# Altium PCB R32-Micro.PcbDoc (part 1 of 3)
Units mm, origin at the board's own origin, x right, y up, seen from the top; angles counter-clockwise.
Board outline 100 x 60 mm, 4 copper layers (Component Side, Ground Plane, Power Plane, Solder Side), stack 0.844 mm thick; 220 components, 197 nets, 1071 pads, 542 vias.
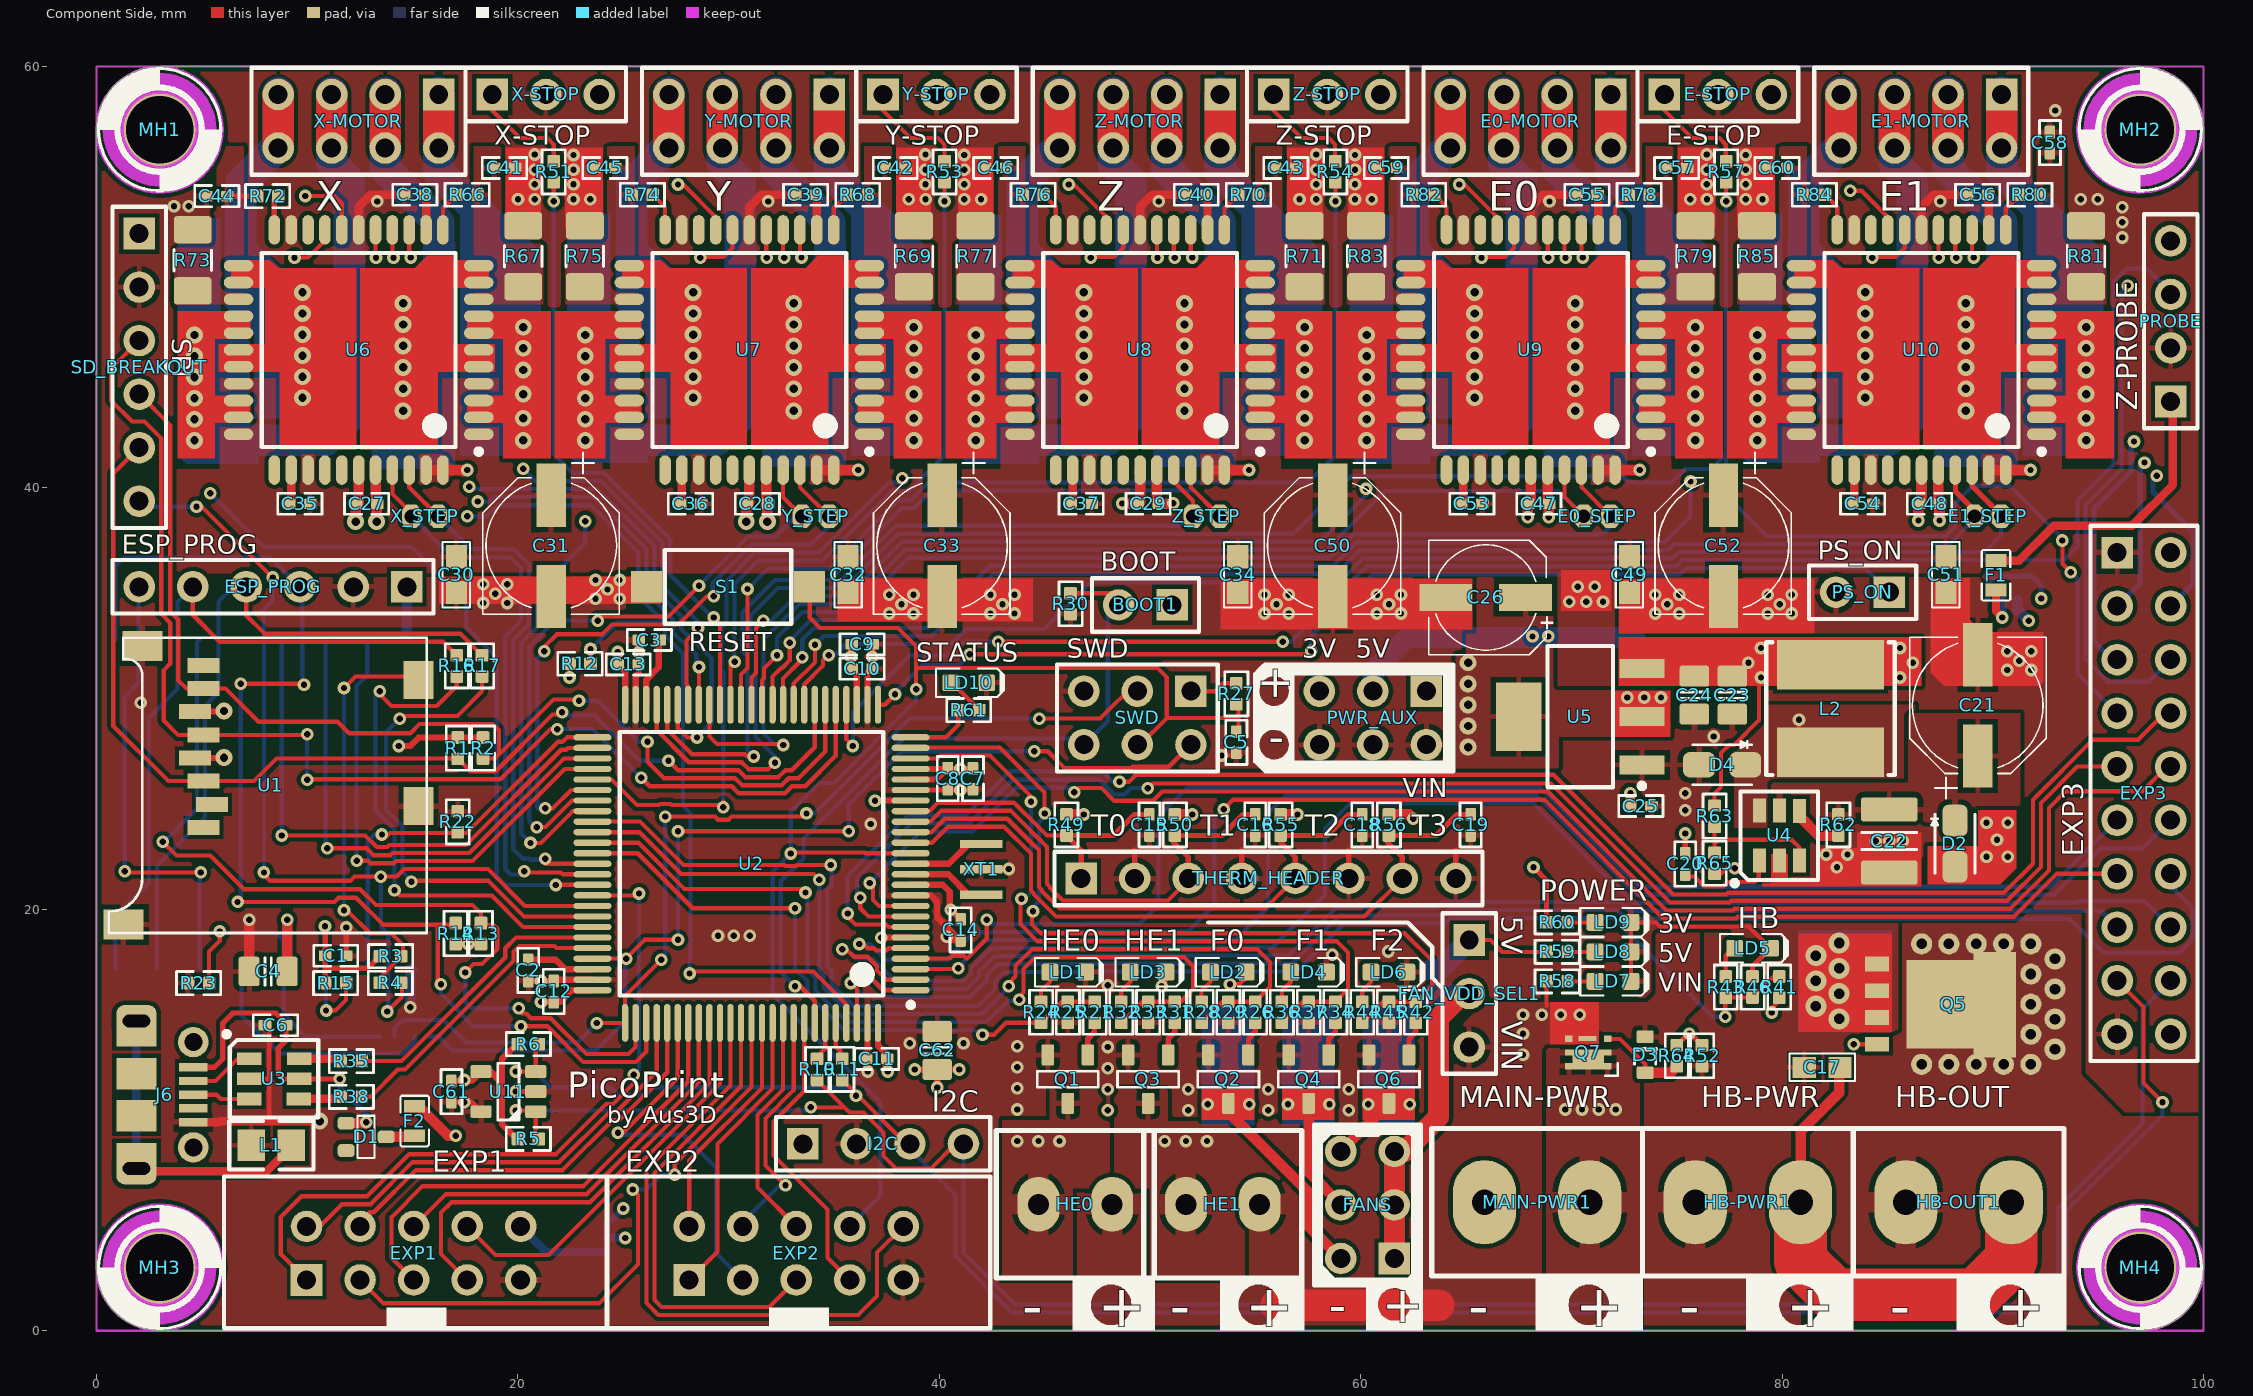
[diagram p0: Component Side view]
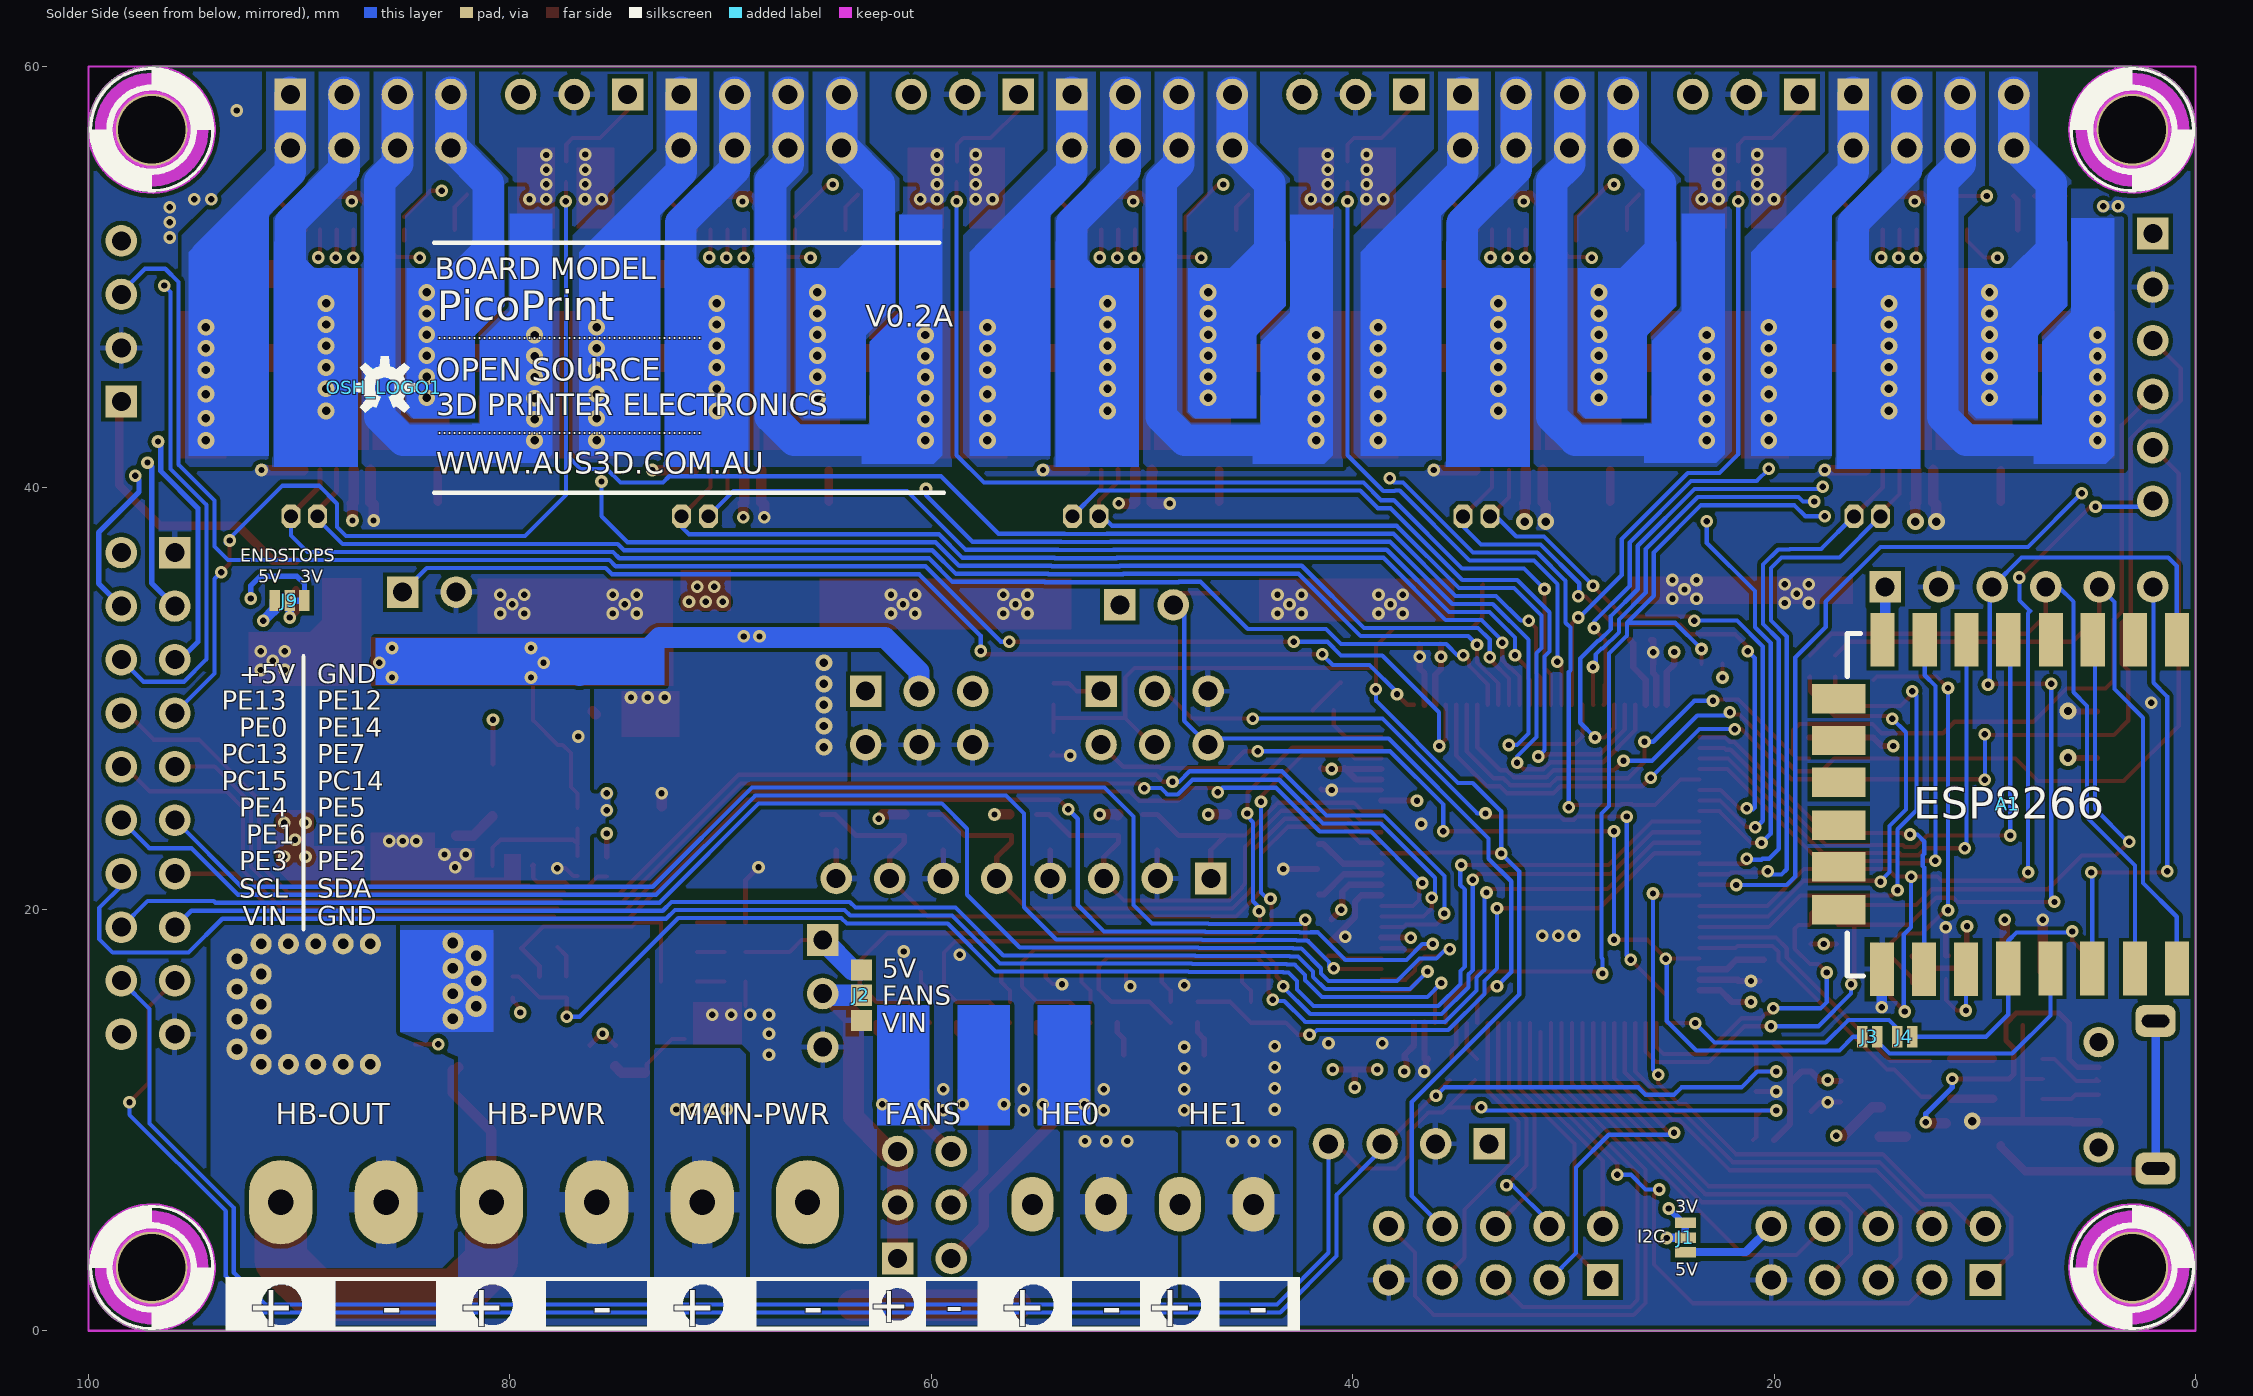
[diagram p1: Solder Side view, seen from below]
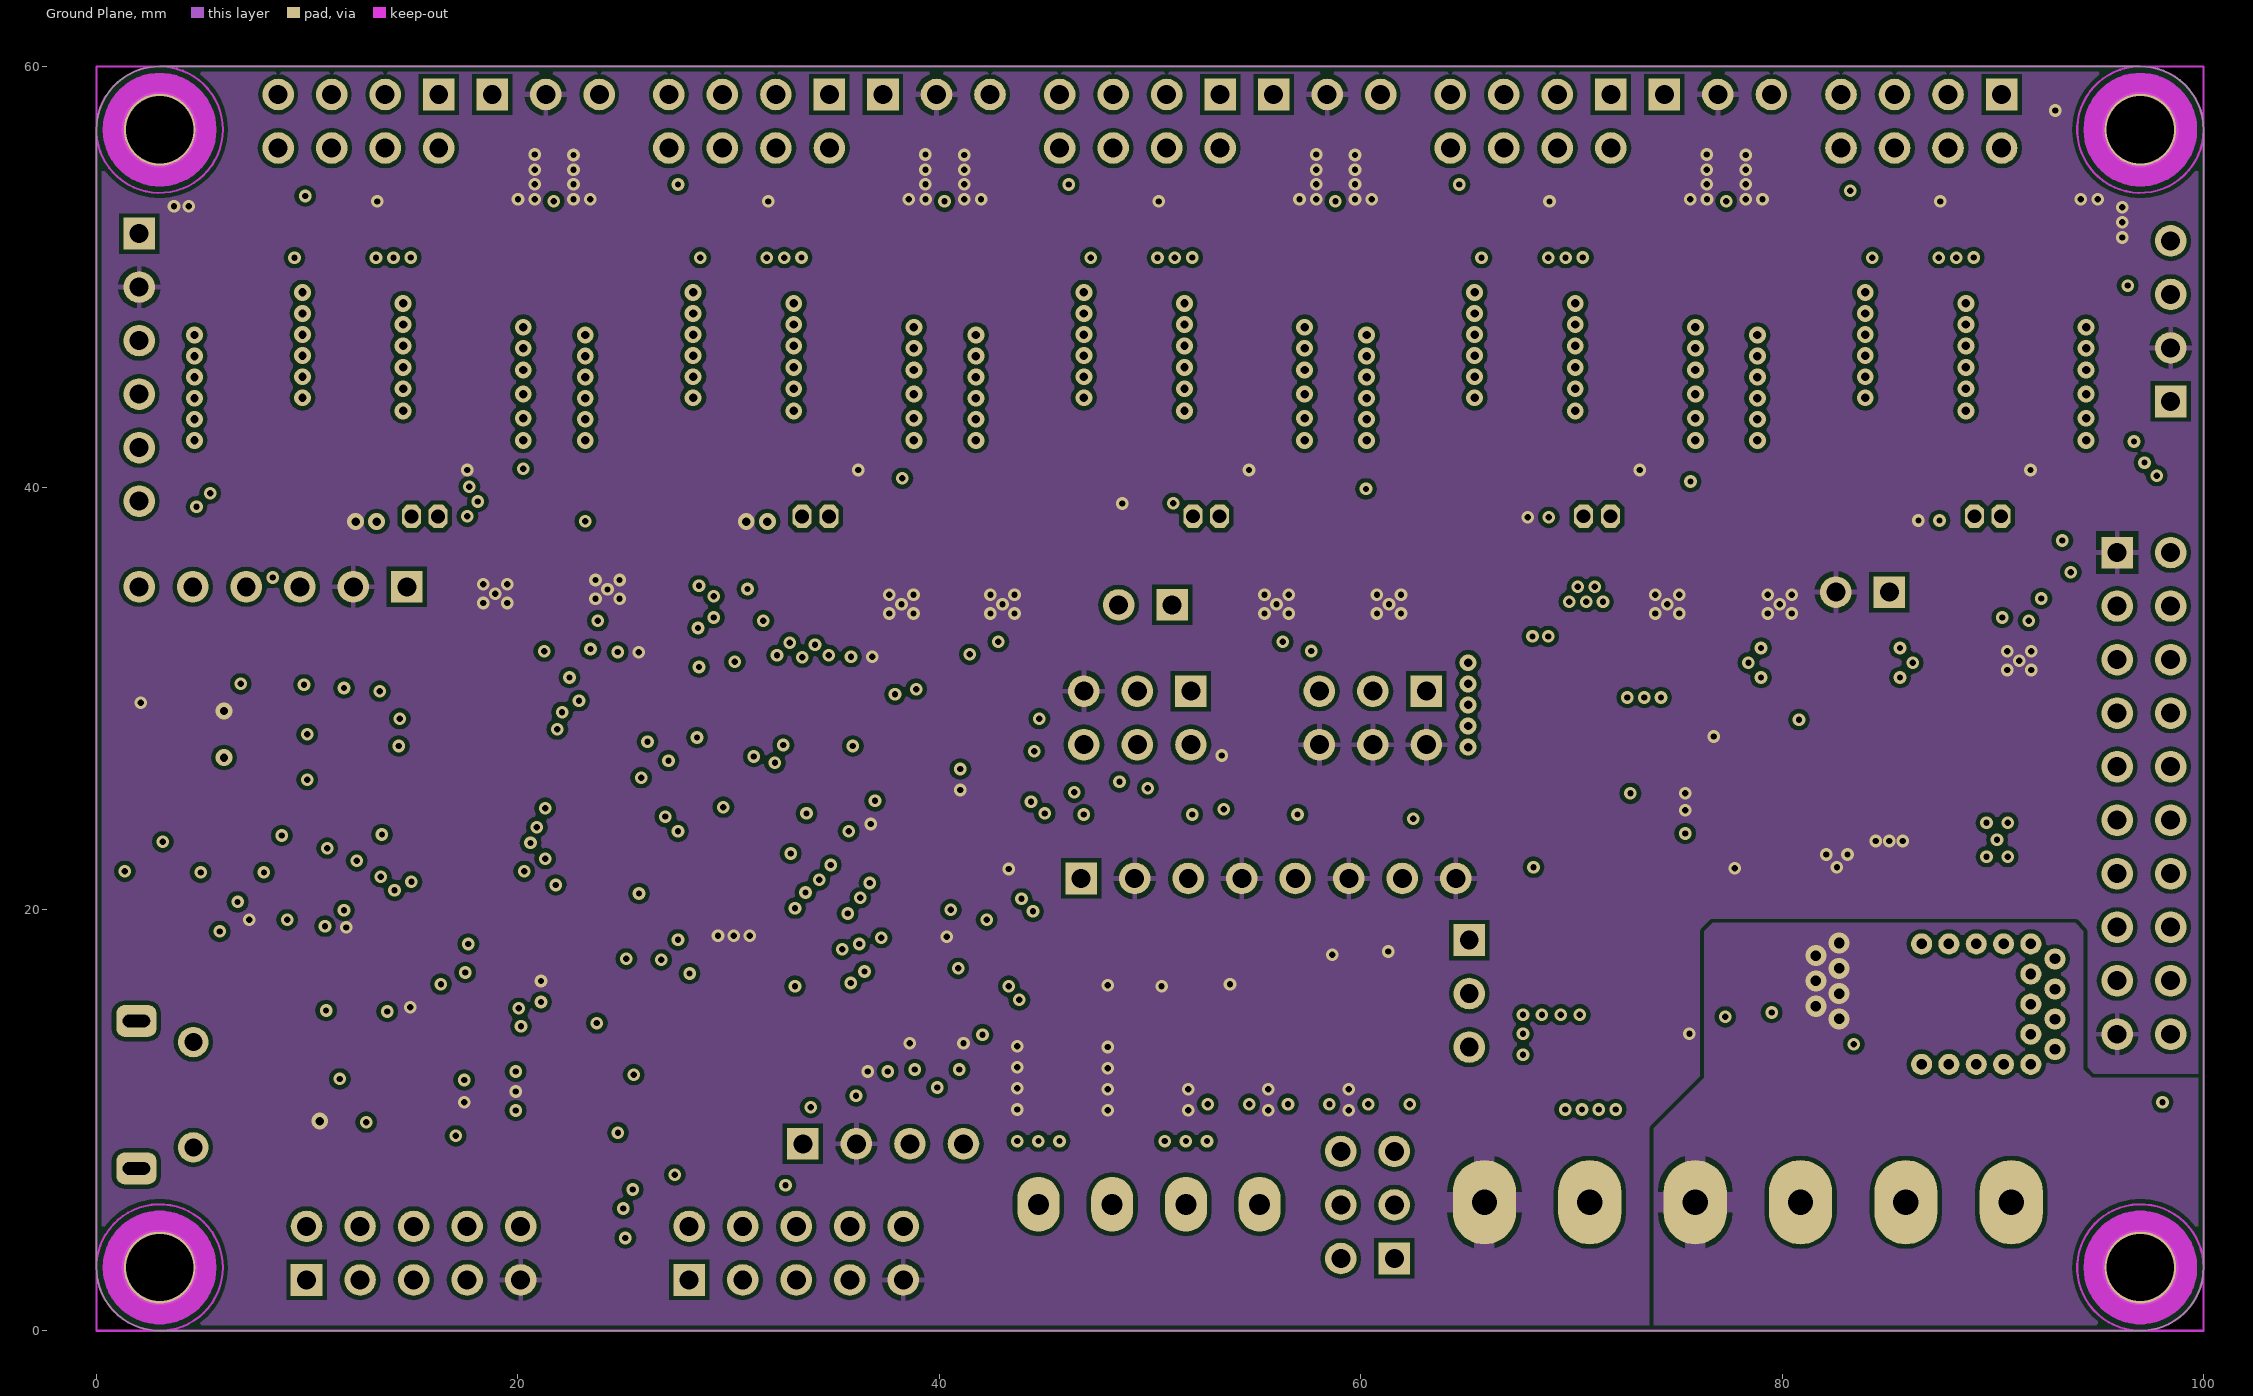
[diagram p2: Ground Plane]
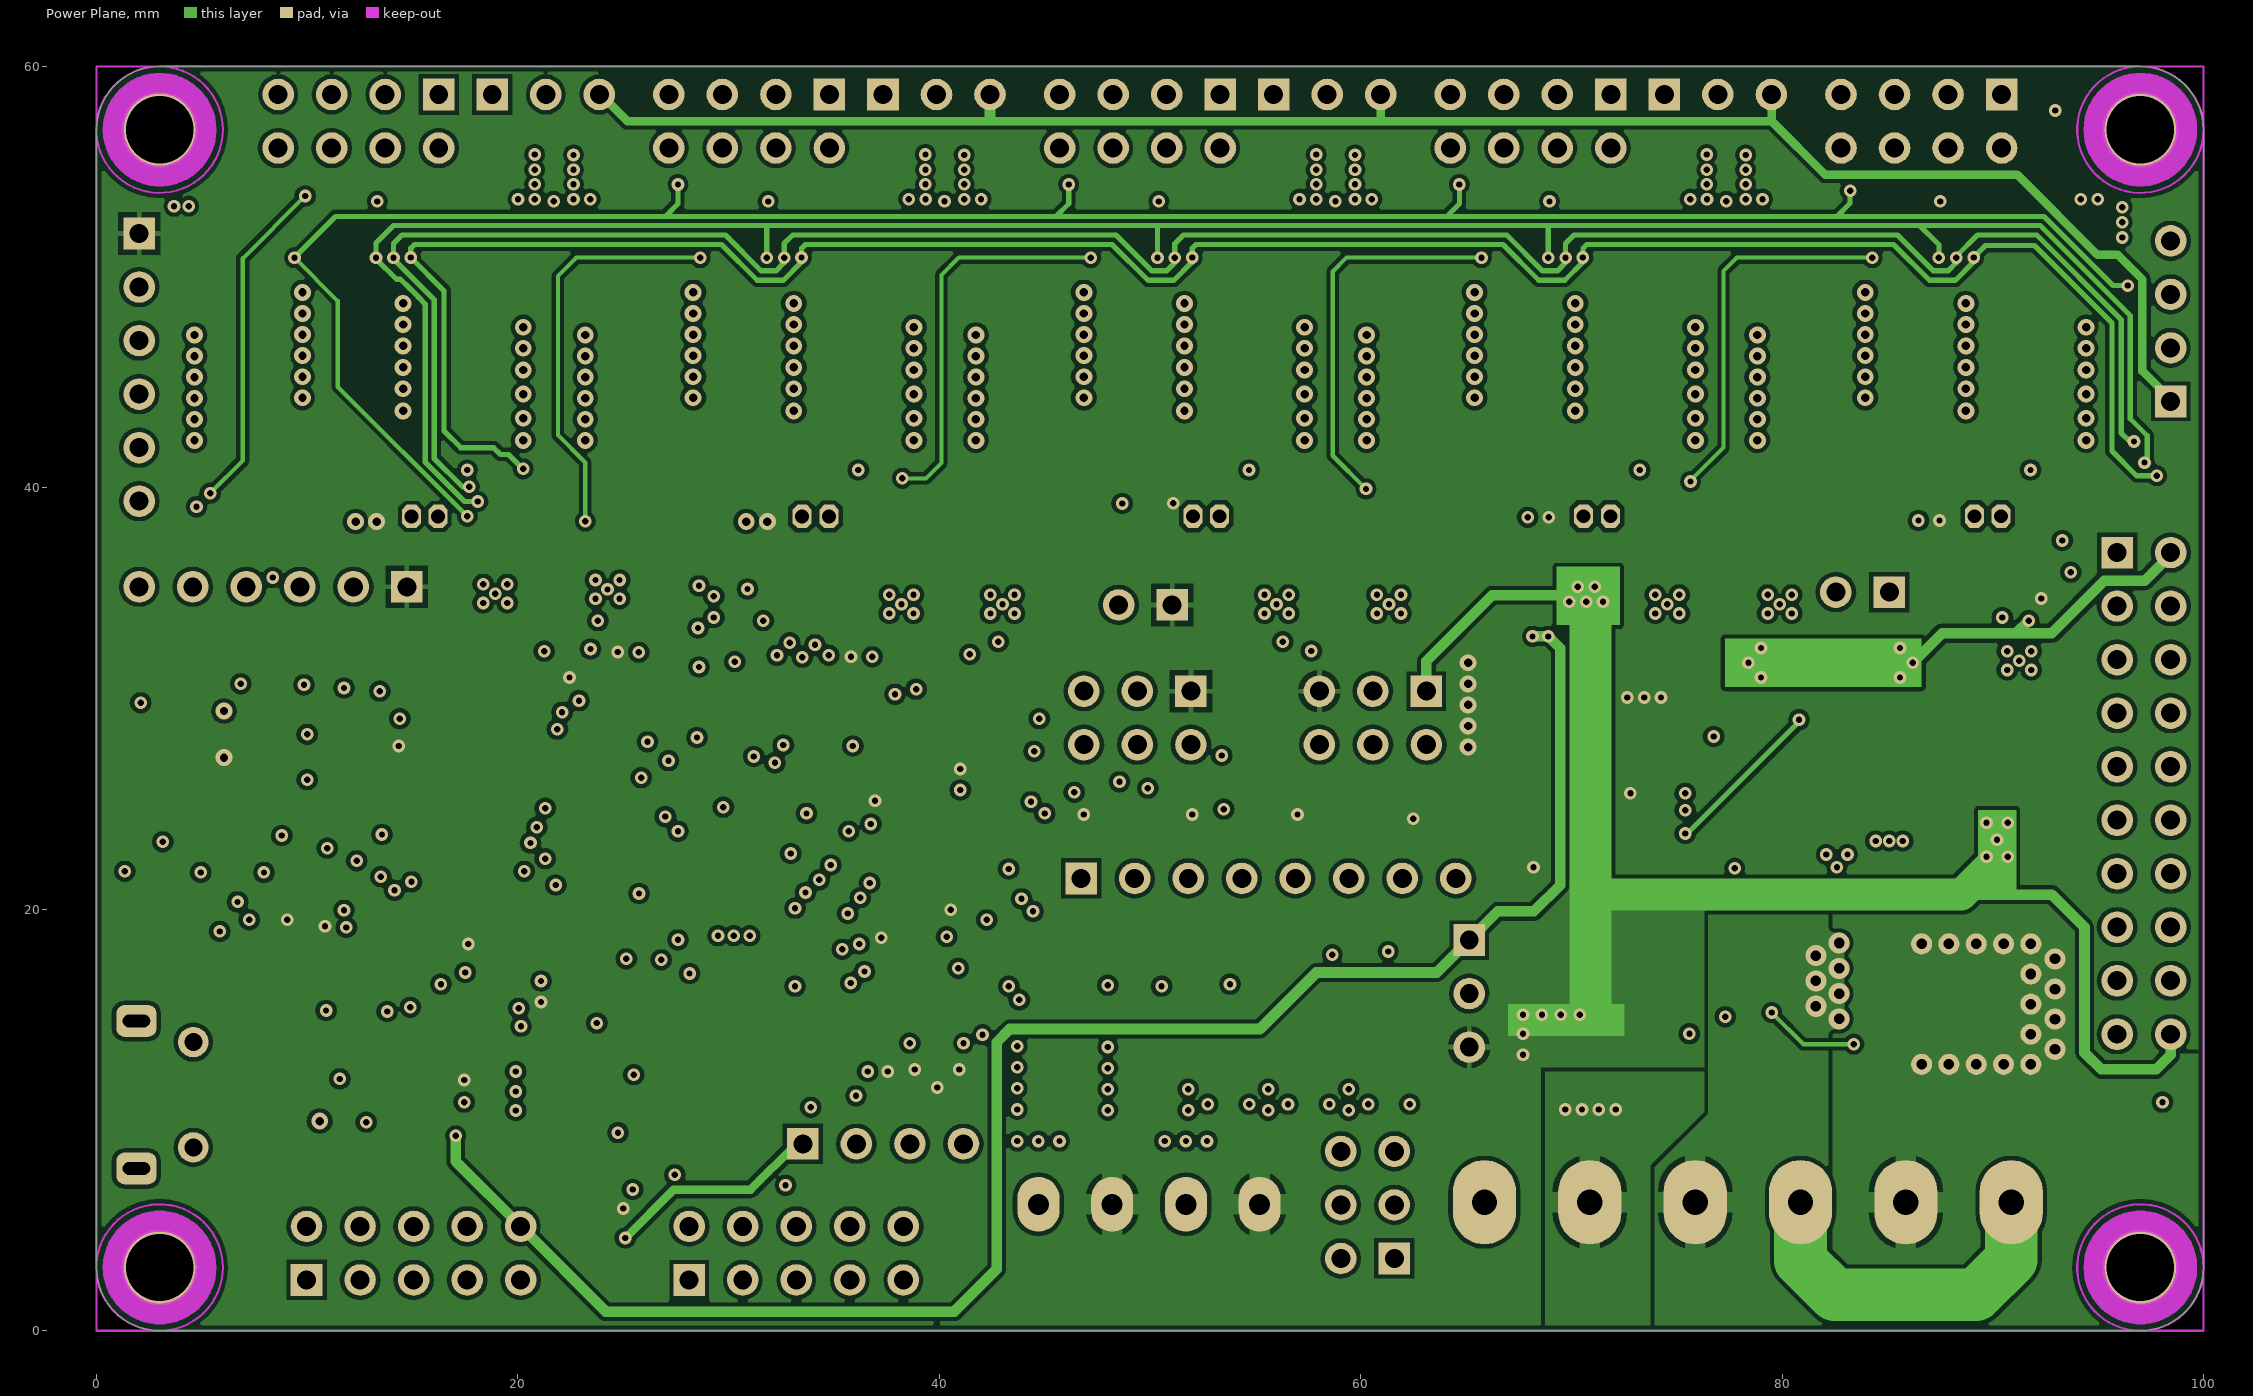
[diagram p3: Power Plane]
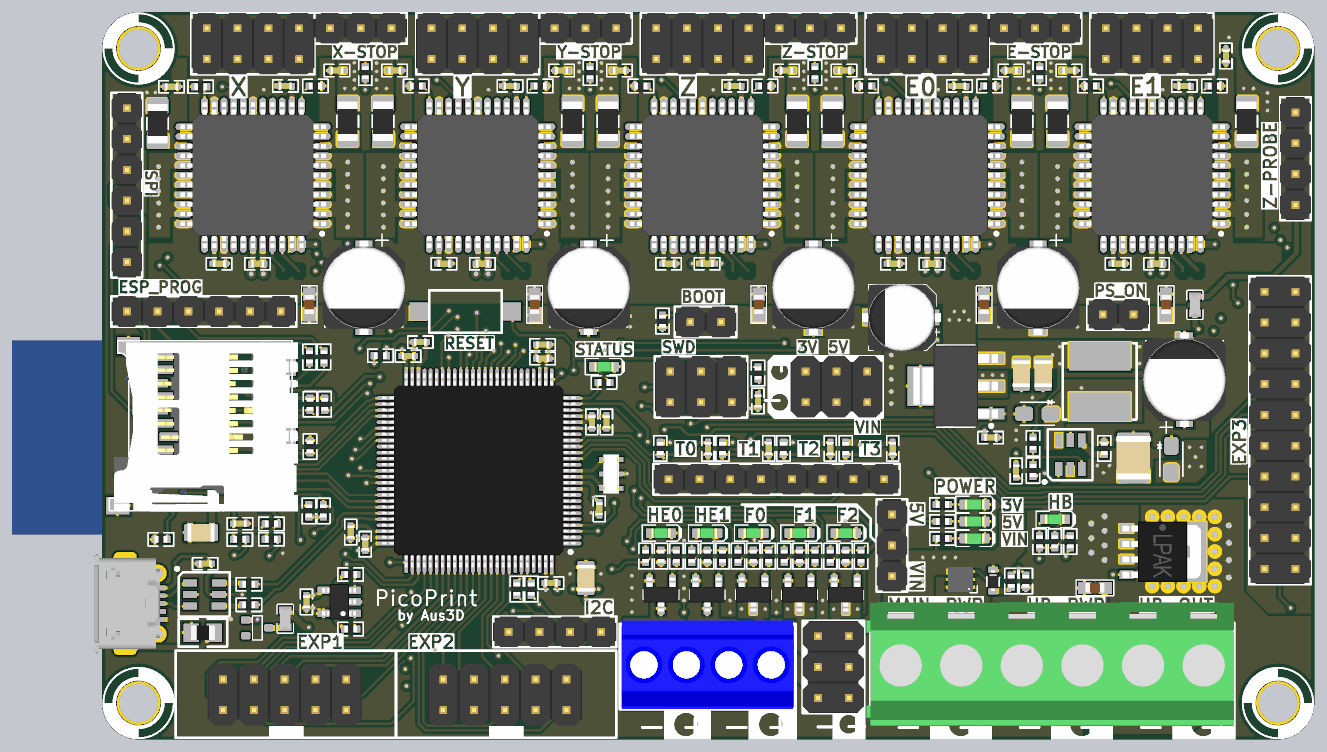
[diagram p6: 3D render of the assembled board from above, using the file's embedded part models]

## Layer stack, top to bottom
Top Solder: solder mask 0.0102, Solder Resist, Dk 3.5
Component Side: signal copper 0.0356
Dielectric 1: core 0.32, FR-4, Dk 4.8
Ground Plane: signal copper 0.036
Dielectric 3: prepreg 0.127, Dk 4.2
Power Plane: signal copper 0.036
Dielectric 4: core 0.254, Dk 4.2
Solder Side: signal copper 0.0356
Bottom Solder: solder mask 0.0102, Solder Resist, Dk 3.5

## Board outline
0,3 0,57 cw(c3,57) 3,60 97,60 cw(c97,57) 100,57 100,3 cw(c97,3) 97,0 3,0 cw(c3,3)

## Design rules (kind name [scope] priority, off if disabled: settings)
Clearance [All] p1: gap=0.2 except(0.18: Track-Track)
DiffPairsRouting [All] p1: maxlimit=0.5 minlimit=0.2 mostfreqgap=0.2 toplayer_minwidth=0.2 toplayer_maxwidth=0.5 toplayer_prefwidth=0.2 midlayer1_minwidth=0.2 midlayer1_maxwidth=0.5 midlayer1_prefwidth=0.2 midlayer2_minwidth=0.2 midlayer2_maxwidth=0.5 midlayer2_prefwidth=0.2 bottomlayer_minwidth=0.2 bottomlayer_maxwidth=0.5 bottomlayer_prefwidth=0.2 maxuncoupledlength=12.7
HoleSize [All] p1: absolutevalues=TRUE maxlimit=4 minlimit=0.025 maxpercent=80.000 minpercent=20.000
MatchedLengths [(InNet('USB_D_N') OR InNet('USB_D_P'))] p1: tolerance=0.75 checknetsindiffpair=TRUE checkdiffpairvsdiffpair=FALSE checkxsignals=FALSE checkothers=FALSE
MinimumSolderMaskSliver [All] p1: minsoldermaskwidth=0.2
PolygonConnect PolygonConnect_1 [HasFootprint('Res 3216-1206') Or  HasFootprint('TQFP80P1200X1200X160-44N') Or InNet('NetC20_1') Or HasFootprint('LFPACK') Or HasFootprint('HDR2X4-HEADER')] p1: connectstyle=Direct reliefconductorwidth=0.254 reliefentries=4 polygonreliefangle="90 Angle" airgapwidth=0.254
PolygonConnect PolygonConnect_2 [IsVia] p2: connectstyle=Direct reliefconductorwidth=0.254 reliefentries=4 polygonreliefangle="90 Angle" airgapwidth=0.254
PolygonConnect PolygonConnect_3 [HasFootprint('TERM2 5MM') Or HasFootprint('TERM2 3.5MM')] p3: connectstyle=Relief reliefconductorwidth=1 reliefentries=4 polygonreliefangle="90 Angle" airgapwidth=0.25
PolygonConnect [All] p4: connectstyle=Relief reliefconductorwidth=0.25 reliefentries=4 polygonreliefangle="90 Angle" airgapwidth=0.25
RoutingVias [All] p1: holewidth=0.3 width=0.6 viastyle="Through Hole" minholewidth=0.3 minwidth=0.6 maxholewidth=0.5 maxwidth=1
SilkToSilkClearance [All] p1: silktosilkclearance=0.2
SilkToSolderMaskClearance [IsPad] p1: minsilkscreentomaskgap=0.15 clearancetoexposedcopper=TRUE
SolderMaskExpansion [All] p1: expansion=0.102
Width [All] p1: maxlimit=3 minlimit=0.2 preferedwidth=0.2
25 further rules are at their usual default settings.

## Classes and differential pairs
component class stepperDrivers: C27 C28 C29 C30 C31 C32 C33 C34 C35 C36 C37 C38 C39 C40 C41 C42 C43 C44 C45 C46 C47 C48 C49 C50 C51 C52 C53 C54 C55 C56 C57 C58 C59 C60 E0-MOTOR E0_STEP E1-MOTOR E1_STEP R66 R67 R68 R69 R70 R71 R72 R73 R74 R75 R76 R77 R78 R79 R80 R81 R82 R83 R84 R85 U6 U7 U8 U9 U10 X-MOTOR X_STEP Y-MOTOR Y_STEP Z-MOTOR Z_STEP
component class R32-Micro: A1 BOOT1 C1 C2 C3 C4 C5 C6 C7 C8 C9 C10 C11 C12 C13 C14 C15 C16 C17 C18 C19 C20 C21 C22 C23 C24 C25 C26 C61 C62 D1 D2 D3 D4 E-STOP ESP_PROG EXP1 EXP2 EXP3 F1 F2 FAN_VDD_SEL1 FANS HB-OUT1 HB-PWR1 HE0 HE1 I2C IC2 J1 J2 J3 J4 J5 J6 J9 J? L1 L2 LD1 LD2 LD3 LD4 LD5 LD6 LD7 LD8 LD9 LD10 MAIN-PWR1 MH1 MH2 MH3 MH4 OSH_LOGO1 PROBE PS_ON PWR_AUX Q1 Q2 Q3 Q4 Q5 Q6 Q7 R1 R2 R3 R4 R5 R6 R10 R11 R12 R13 R14 R15 R16 R17 R21 R22 R23 R24 R25 R26 R27 R28 R29 R30 R31 R32 R33 R34 R35 R36 R37 R38 R41 R42 R43 R44 R45 R46 R49 R50 R51 R52 R53 R54 R55 R56 R57 R58 R59 R60 R61 R62 R63 R64 R65 S1 SD_BREAKOUT SWD THERM_HEADER U1 U2 U3 U4 U5 U11 X-STOP XT1 Y-STOP Z-STOP
differential pair USB: +USB_P -USB_N
differential pair USB_D: +USB_D_P -USB_D_N

## Components (designator, comment, footprint, x,y, rotation, side; value= is the part's Value field where it differs from the comment)
A1 "ESP8266 ESP-12-E" "ESP8266 ESP-12-E-SMD" 17.3,16.2 r270 bottom locked
BOOT1 "Header 2" HDR1X2-HEADER 51.054,34.444 r180 top
C1 "CapC-0402-4.7uF-10V" "CAP 1005-0402" 11.36,17.8 r180 top
C2 "CapC-0402-4.7uF-10V" "CAP 1005-0402" 20.5,17.1 r90 top
C3 "CapC-0402-4.7uF-10V" "CAP 1005-0402" 26.24,32.78 r0 top
C4 "CapC-0805-10uF 6.3V" CAPC2012X135N 8.15,17.05 r0 top
C5 "CapC-0402-100nF" "CAP 1005-0402" 54.1,27.925 r90 top
C6 "CapC-0402-100nF" "CAP 1005-0402" 8.5,14.5 r0 top
C7 "CapC-0402-4.7uF-10V" "CAP 1005-0402" 41.6,26.2 r90 top
C8 "CapC-0402-100nF" "CAP 1005-0402" 40.4,26.2 r90 top
C9 "CapC-0402-4.7uF-10V" "CAP 1005-0402" 36.34,32.57 r180 top
C10 "CapC-0402-100nF" "CAP 1005-0402" 36.34,31.42 r180 top
C11 "CapC-0402-100nF" "CAP 1005-0402" 37.025,12.9 r0 top
C12 "CapC-0402-100nF" "CAP 1005-0402" 21.7,16.1 r270 top
C13 "CapC-0402-100nF" "CAP 1005-0402" 25.24,31.618 r180 top
C14 "CapC-0402-100nF" "CAP 1005-0402" 41.01,19.02 r90 top
C15 "CapC-0402-4.7uF-10V" "CAP 1005-0402" 49.974,24.003 r90 top
C16 "CapC-0402-4.7uF-10V" "CAP 1005-0402" 54.991,24.003 r90 top
C17 "CapC-0603-1uF 50V" "Cap 1608-0603" 81.9,12.5 r0 top
C18 "CapC-0402-4.7uF-10V" "CAP 1005-0402" 60.071,24.003 r90 top
C19 "CapC-0402-4.7uF-10V" "CAP 1005-0402" 65.214,24.003 r90 top
C20 "CapC-0402-100nF" "CAP 1005-0402" 75.4,22.15 r270 top
C21 "CapE-6.3-100uF-35V" "CAP EL PANASONIC" 89.281,32.131 r180 top
C22 "CapC-1210-4.7uF-50V" "CAP 3225-1210" 85.082,23.241 r90 top
C23 "CapC-0805-4.7uF 10V" CAPC2012X135N 77.636,30.162 r90 top
C24 "CapC-0805-4.7uF 10V" CAPC2012X135N 75.837,30.162 r90 top
C25 "CapC-0402-4.7uF-10V" "CAP 1005-0402" 73.3,24.9 r180 top
C26 "CapE-5.0-100uF-6.3V" "CAP EL 5mm" 65.938,34.798 r270 top
C27 "CapC-0402-100nF" "CAP 1005-0402" 12.827,39.243 r0 top
C28 "CapC-0402-100nF" "CAP 1005-0402" 31.369,39.243 r0 top
C29 "CapC-0402-100nF" "CAP 1005-0402" 49.911,39.243 r0 top
C30 "CapC-0603-1uF 50V" "Cap 1608-0603" 17.081,35.877 r90 top
C31 "CapE-6.3-100uF-35V" "CAP EL PANASONIC" 21.59,34.798 r0 top locked
C32 "CapC-0603-1uF 50V" "Cap 1608-0603" 35.669,35.877 r90 top
C33 "CapE-6.3-100uF-35V" "CAP EL PANASONIC" 40.132,34.798 r0 top locked
C34 "CapC-0603-1uF 50V" "Cap 1608-0603" 54.165,35.877 r90 top
C35 "CapC-0402-100nF-50V" "CAP 1005-0402" 9.652,39.243 r0 top
C36 "CapC-0402-100nF-50V" "CAP 1005-0402" 28.194,39.243 r0 top
C37 "CapC-0402-100nF-50V" "CAP 1005-0402" 46.736,39.243 r0 top
C38 "CapC-0402-470nF" "CAP 1005-0402" 15.113,53.911 r0 top
C39 "CapC-0402-470nF" "CAP 1005-0402" 33.655,53.911 r0 top
C40 "CapC-0402-470nF" "CAP 1005-0402" 52.197,53.911 r0 top
C41 "CapC-0402-100nF" "CAP 1005-0402" 19.367,55.181 r180 top
C42 "CapC-0402-100nF" "CAP 1005-0402" 37.909,55.181 r180 top
C43 "CapC-0402-100nF" "CAP 1005-0402" 56.451,55.181 r180 top
C44 "CapC-0402-100nF" "CAP 1005-0402" 5.715,53.848 r0 top
C45 "CapC-0402-100nF" "CAP 1005-0402" 24.13,55.181 r0 top
C46 "CapC-0402-100nF" "CAP 1005-0402" 42.672,55.181 r0 top
C47 "CapC-0402-100nF" "CAP 1005-0402" 68.453,39.243 r0 top
C48 "CapC-0402-100nF" "CAP 1005-0402" 86.995,39.243 r0 top
C49 "CapC-0603-1uF 50V" "Cap 1608-0603" 72.753,35.877 r90 top
C50 "CapE-6.3-100uF-35V" "CAP EL PANASONIC" 58.674,34.798 r0 top locked
C51 "CapC-0603-1uF 50V" "Cap 1608-0603" 87.767,35.877 r90 top
C52 "CapE-6.3-100uF-35V" "CAP EL PANASONIC" 77.216,34.798 r0 top locked
C53 "CapC-0402-100nF-50V" "CAP 1005-0402" 65.278,39.243 r0 top
C54 "CapC-0402-100nF-50V" "CAP 1005-0402" 83.82,39.243 r0 top
C55 "CapC-0402-470nF" "CAP 1005-0402" 70.739,53.911 r0 top
C56 "CapC-0402-470nF" "CAP 1005-0402" 89.281,53.911 r0 top
C57 "CapC-0402-100nF" "CAP 1005-0402" 74.993,55.181 r180 top
C58 "CapC-0402-100nF" "CAP 1005-0402" 92.71,56.388 r270 top
C59 "CapC-0402-100nF" "CAP 1005-0402" 61.214,55.181 r0 top
C60 "CapC-0402-100nF" "CAP 1005-0402" 79.756,55.181 r0 top
C61 "CapC-0402-100nF" "CAP 1005-0402" 16.85,11.35 r90 top
C62 "CapC-0805-10uF 6.3V" CAPC2012X135N 39.9,13.3 r270 top
D1 "Diode Schottky 700mA 20V" SC-85 12.8,9.2 r270 top
D2 "Diode Schottky 2A 40V" DIOM2616X08N 88.201,23.114 r270 top
D3 "Diode Zener 10V" SOD523 73.5,13.1 r270 top
D4 "Diode Schottky 2A 40V" DIOM2616X08N 77.152,26.86 r180 top
E0-MOTOR "Header 4X2" HDR2X4-HEADER 71.872,58.668 r180 top
E0_STEP "Header 2" HEADER-1X2-50MIL 374.111,-269.955 r180 top
E1-MOTOR "Header 4X2" HDR2X4-HEADER 90.414,58.668 r180 top
E1_STEP "Header 2" HEADER-1X2-50MIL 392.653,-269.955 r180 top
E-STOP "Header 3" HDR1X3-HEADER 74.412,58.668 r0 top
ESP_PROG "Header 6" HDR1X6-HEADER 14.732,35.306 r180 top
EXP1 "Header 5X2" "HDR2X5_exp Iner only\" 5.969,0.108 r0 top locked
EXP2 "Header 5X2" "HDR2X5_exp Iner only\" 24.13,0.108 r0 top locked
EXP3 "Header 10X2" HDR2X10-HEADER 95.9,36.93 r270 top
F1 "PTC Resettable Fuse" "PTC Fuse1608-0603" 90.15,35.85 r90 top
F2 "PTC Resettable Fuse" "PTC Fuse1608-0603" 15.1,9.95 r270 top
FAN_VDD_SEL1 "Header 3" HDR1X3-HEADER 65.151,18.542 r270 top